# Altium PCB 2226_RegThermique.PcbDoc (part 2 of 2)
Units mm, origin at the board's own origin, x right, y up, seen from the top; angles counter-clockwise.
Board outline 171 x 110 mm, 2 copper layers (Top Layer, Bottom Layer), stack 1.586 mm thick; 162 components, 82 nets, 412 pads, 349 vias.
Unrouted connection lines stored in the file: 65.
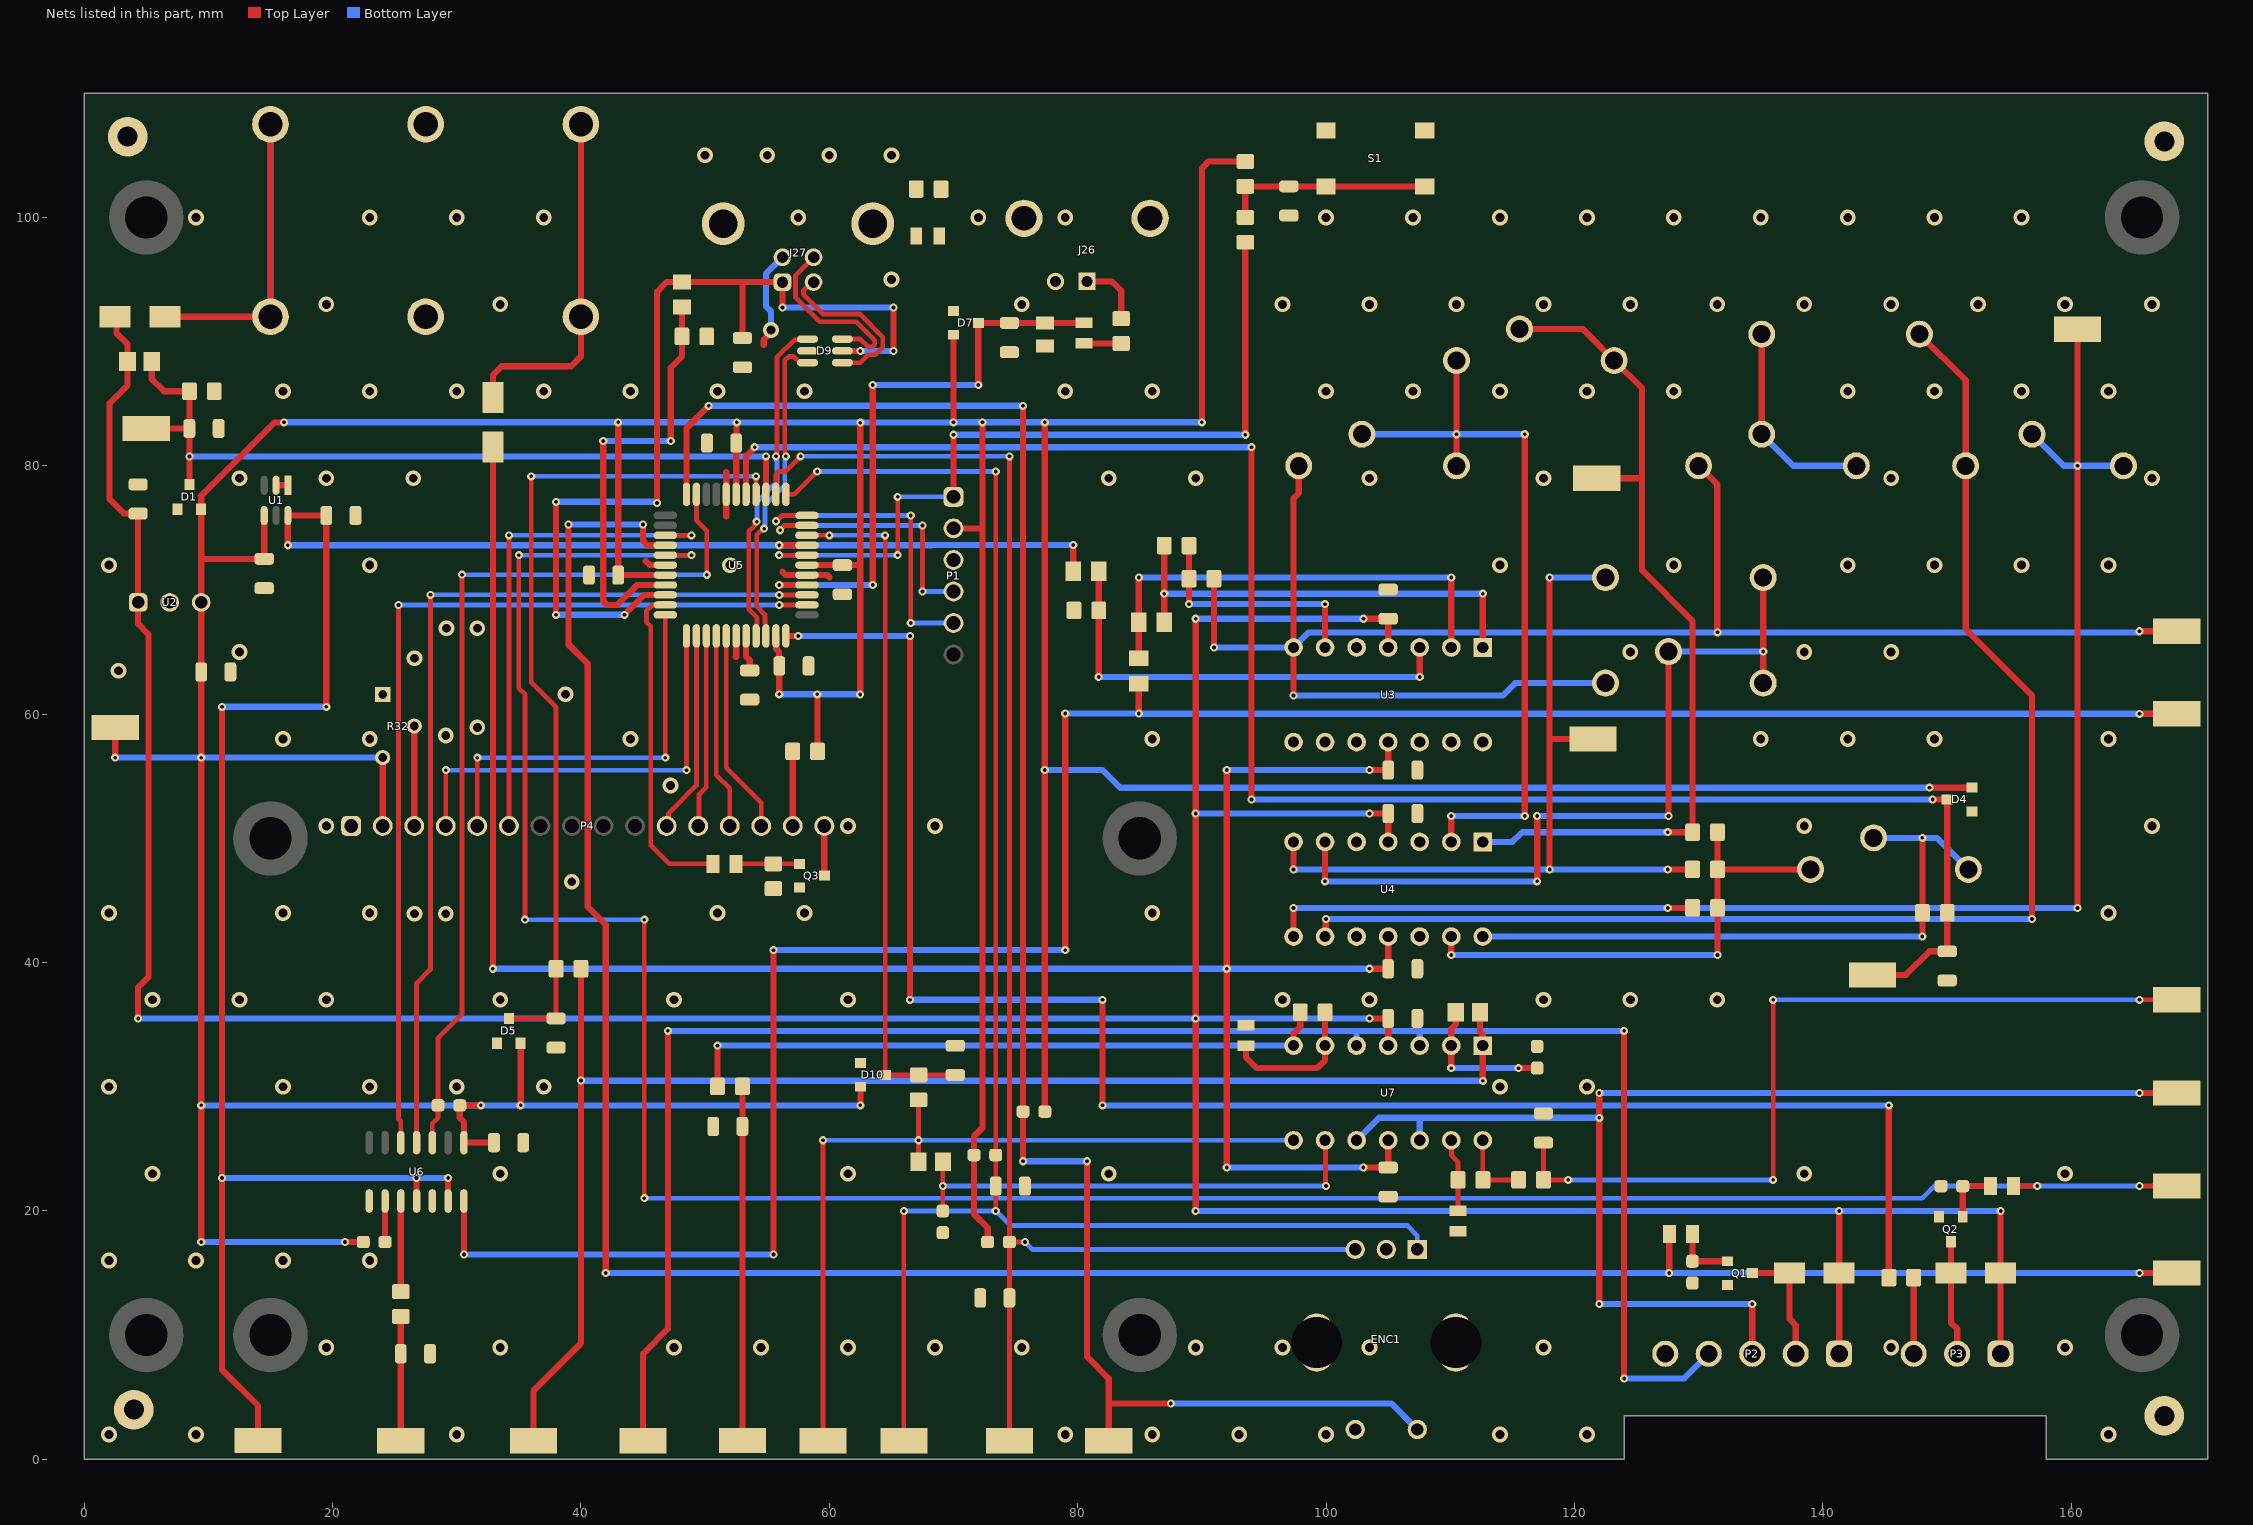
[diagram p2: the nets of this part, all layers, seen from the top]

## Part data (continued)
U5: library part CMP-0048-00496-1, "32-bit Microcontroller with Audio and Graphics Interface, USB and Advanced Analog, 40 MHz, 33 I/O, PMP, -40 to 85 degC, 44-pin TQFP (PT44), Tray", Manufacturer=Microchip, ComponentLink1Description="Manufacturer URL", ComponentLink1URL=http://www.microchip.com, ComponentLink2Description=Datasheet, ComponentLink2URL=http://ww1.microchip.com/downloads/en/DeviceDoc/61168E.pdf, ComponentLink3Description="Package Specification", ComponentLink3URL=http://www.microchip.com/stellent/groups/techpub_sg/documents/packagingspec/en012702.pdf, ComponentLink4Description="Product URL", ComponentLink4URL=http://www.microchip.com/PIC32MX230F064D, DatasheetVersion="Rev. E", Mounting Technology="Surface Mount", PackageDescription="44-Lead Plastic Thin Quad Flatpack, 10 x 10 mm Body, 0.8 mm Pitch", PackageReference=TQFP-PT44, PackageVersion=C04-076B, PartNumber=PIC32MX230F064D-I/PT
U6: library part CMP-0188-00496-2, "12-Bit DAC with SPI Interface, 14-Pin SOIC 150mil, Extended Temperature", Code_IPC=SOIC127P600-14, Code_JEDEC=MS-012-AB, ComponentLink1Description="Manufacturer URL", ComponentLink1URL=http://www.microchip.com/, ComponentLink2Description=Datasheet, ComponentLink2URL=http://ww1.microchip.com/downloads/en/DeviceDoc/22250A.pdf, ComponentLink3Description="Package Specification", ComponentLink3URL=http://www.microchip.com/stellent/groups/techpub_sg/documents/packagingspec/en012702.pdf, DatasheetVersion="revA, Apr-2010", PackageDescription="14-Lead Plastic Small Outline (SL) - Narrow, 3.90mm Body [SOIC]", PackageReference=SOIC-SL14, PackageVersion="revBB, Aug-2009", RevisionNote="URLs added. DatasheetVersion updated. Sch updated."
U8 U9 U10 U11 U12 U13 U14 U15: library part CMP-063-000000-1, "Plated Hole  3.4mm", Category=Others, IsStocked=False, PN=PN-814249, SubCategory=Mecaniques
X1 X2 X3 X4: library part CMP-054-000005-1, "TEST THT MULTIPURPOSE BK", Manufacturer=Keystone, Supplier Part Number 1=MAG.428.014, Category=Connectors, IsStocked=True, Manufacturer Number=5011, PN=PN-926990, SubCategory=Testpoints, Supplier 1=ETML, Supplier Price 1=0.2439

## Via types
v1: diameter 0.65, hole 0.3, Top Layer to Bottom Layer, tented both sides, 191 vias
v2: diameter 1.27, hole 0.711, Top Layer to Bottom Layer, tented both sides, 158 vias

## Nets (pads, with @x,y where several pads share a name; then routed paths per layer and width w, separated by ;. In a path a pad name is that pad's centre, name@x,y a point inside that pad or via, vN(x,y) a via of type N, cw(c..) or ccw(c..) an arc to the next point about the centre after c; other vN are vias at no path point)
+3,3V: C1.2 C5.2 C13.2 C14.2 C15.2 C23.2 C29.2 D1.2 D4.2 D5.2 D7.2 D10.2 P1.2 P4.2 R13.2 R30.2 R32.3 R36.2 R37.2 R38.2 R39.2 R40.2 TP3.1 U1.4 U2.3 U5.10 U5.17 U5.28 U5.40 U6.1 | length 556.2
  Top Layer w0.5: v1(2.5,56.5) TP3.1@2.5,58.936 ; v1(9.425,17.5) v1(9.425,28.5) v1(9.425,56.5) C5.2@9.425,63.398 U2.3@9.425,69 9.425,72.5 ; U1.4@14.5,76 C1.2@14.5,72.5 9.425,72.5 ; v1(16.1,83.502) 16.071,83.474 15.299,83.474 9.425,77.6 D1.2@9.425,76.5 9.425,72.5 ; v1(21,17.5) R39.2@22.476,17.5 ; P4.2@24.04,51 R32.3@24.04,56.5 ; v1(31.938,28.5) R40.2@30.246,28.5 30.246,27.5 30.576,27.17 U6.1@30.576,25.5 C23.2@33,25.5 ; v1(35.15,28.5) D5.2@35.15,33.5 ; v1(43,83.5) C14.2@43,71.2 U5.40@46.8,71.2 ; U5.28@52.5,77.7 C15.2@52.5,81.831 52.524,81.855 52.524,83.476 v1(52.548,83.5) ; U5.10@55.7,66.3 55.719,66.281 55.719,65.247 55.957,65.01 55.957,63.91 C29.2@55.976,63.891 55.973,63.888 55.973,61.601 v1(55.971,61.598) ; U5.17@58.2,72 C13.2@61.05,72 62.488,72 ; v1(59.026,61.598) 59.038,61.586 59.038,57.012 R30.2@59.05,57 ; v1(62.488,61.586) 62.488,72 ; v1@62.488,83.464 62.488,72 ; v1(62.5,28.5) D10.2@62.5,30 ; P1.2@70,74.96 72.334,74.96 ; v1(70,83.5) D7.2@70,90.551 ; v1(72.334,83.5) 72.334,74.96 ; R37.2@72.75,17.5 72.75,18.65 71.65,19.75 71.65,26 72.334,26.684 72.334,74.96 ; R38.2@77.35,28 v1(77.35,55.5) v1(77.35,83.5) ; v1(90,83.5) 90,103.967 90.533,104.5 R13.2@93.5,104.5 ; v1(148.594,54.08) D4.2@152.015,54.08
  Bottom Layer w0.5: v1(2.5,56.5) v1(9.425,56.5) R32.3@24.04,56.5 ; v1(9.425,17.5) v1(21,17.5) ; v1(9.425,28.5) v1(31.938,28.5) v1(35.15,28.5) v1(62.5,28.5) ; v1(16.1,83.502) v1(16.1,83.502) 42.999,83.501 v1(43,83.5) v1(52.548,83.5) 52.56,83.488 62.488,83.488 v1(62.5,83.476) 62.512,83.488 69.988,83.488 v1(70,83.5) v1(72.334,83.5) v1(77.35,83.5) v1(90,83.5) ; v1(55.971,61.598) v1(59.026,61.598) 62.476,61.598 v1(62.488,61.586) ; v1(77.35,55.5) 82,55.5 83.42,54.08 92.975,54.08 142.58,54.08 v1(148.594,54.08)
+12V: C4.2 C6.2 C8.2 C27.2 D2.1 D6.1 D8.1 P2.1 P3.1 R1.2 U2.1 U3.4 U4.4 U7.4 | length 333.8
  Top Layer w0.5: D2.1@2.5,92 2.6,91.9 2.6,90.693 3.5,89.793 R1.2@3.5,88.4 3.5,86.5 2.042,85.042 2.042,77.306 3.186,76.162 4.333,76.162 C4.2@4.345,76.15 U2.1@4.345,69 4.345,67.28 5.175,66.45 5.175,38.83 4.345,38 v1(4.345,35.5) ; v1(89.5,20) v1(89.5,52) v1(89.5,67.686) ; v1(103.011,67.686) C6.2@105,67.686 U3.4@105,65.371 ; v1(103.5,35.5) C27.2@105,35.5 U7.4@105,33.31 ; v1(103.5,52) C8.2@105,52 U4.4@105,49.711 ; P2.1@141.315,8.5 D6.1@141.315,15 v1(141.315,20) ; P3.1@154.315,8.5 D8.1@154.315,15 v1(154.315,20)
  Bottom Layer w0.5: v1(4.345,35.5) v1(89.5,35.5) v1(103.5,35.5) ; v1(89.5,20) v1(141.315,20) v1(154.315,20) ; v1(89.5,52) v1(103.5,52) ; v1(89.5,67.686) v1(103.011,67.686)
-12V: C7.2 C9.2 C28.2 D3.2 U3.11 U4.11 U7.11 | length 179.3
  Top Layer w0.5: v1(32.905,39.5) 32.91,39.505 D3.2@32.91,81.505 D3.2@33,81.594 ; v1(92,23.5) v1(92,55.5) ; v1(103,23.5) C28.2@105,23.5 U7.11@105,25.69 ; v1(103.5,55.5) C7.2@105,55.5 U3.11@105,57.751 ; v1(103.5,39.5) C9.2@105,39.5 ; C9.2@105,39.5 U4.11@105,42.102
  Bottom Layer w0.5: v1(32.905,39.5) v1(92,39.5) v1(103.5,39.5) ; v1(92,23.5) v1(103,23.5) ; v1(92,55.5) v1(103.5,55.5)
Consigne_EXT: C18.2 D7.3 R24.1 R25.2 U5.15 | length 47.9
  Top Layer w0.5: v1(55.97,70.4) U5.15@58.2,70.4 ; v1(63.5,70.4) v1(63.5,86.5) ; v1(72,86.5) D7.3@72,91.501 C18.2@74.5,91.501 77.999,91.501 78,91.5 R24.1@80.5,91.5
  Bottom Layer w0.5: v1(55.97,70.4) v1(63.5,70.4) ; v1(63.5,86.5) v1(72,86.5)
DAC_CS: R40.1 U5.32 U6.3 | length 73.3
  Top Layer w0.381: U6.3@28.036,25.5 28.036,27.04 28.496,27.5 R40.1@28.496,28.5 28.496,33.935 30.415,35.854 v1(30.415,71.229) ; U5.32@49.3,77.7 49.3,75.621 50.135,74.786 v1(50.135,71.227)
  Bottom Layer w0.381: v1@30.417,71.227 v1(50.135,71.227)
DAC_SCK: U5.14 U6.4 | length 74.9
  Top Layer w0.381: U6.4@26.766,25.5 26.766,38.33 27.884,39.448 v1(27.884,69.606) ; v1@55.972,69.6 U5.14@58.199,69.6
  Bottom Layer w0.381: v1(27.884,69.606) 55.965,69.606 v1(55.971,69.599)
DAC_SDI: U5.13 U6.5 | length 76.3
  Top Layer w0.381: v1(25.313,68.799) 25.313,27.407 25.496,27.224 U6.5@25.496,25.5 ; v1(55.97,68.798) U5.13@58.2,68.799
  Bottom Layer w0.381: v1(25.313,68.799) v1(55.97,68.798)
ERREUR: R4.1 TP5.1 U6.14 | length 188.2
  Top Layer w0.5: v1(30.576,16.5) U6.14@30.576,20.8 ; v1(55.5,16.5) v1(55.5,41) ; v1(79,41) v1(79,60.06) ; v1(84.92,60.06) R4.1@84.92,62.45 ; v1(165.5,60.03) TP5.1@168.5,60.03
  Bottom Layer w0.5: v1(30.576,16.5) v1(55.5,16.5) ; v1(55.5,41) v1(79,41) ; v1(79,60.06) v1(84.92,60.06) 84.95,60.03 v1(165.5,60.03)
GND: C1.1 C2.1 C3.1 C4.1 C5.1 C6.1 C7.1 C8.1 C9.1 C10.1 C11.1 C12.1 C13.1 C14.1 C15.1 C16.1 C17.1 C18.1 C19.1 C20.2 C21.1 C22.1 C23.1 C24.1 C25.1 C26.1 C27.1 C28.1 C29.1 D1.1 D4.1 D5.1 D7.1 D9.5 D10.1 ENC1.2 ENC1.3 ENC1.4 ENC1.C J2.1 J26.2 J26.S1 J26.S2 J27.4 P1.3 P2.5 P4.1 Q1.2 Q2.2 Q3.2 R2.1 R10.1 R18.1 R19.2 R21.1 R25.1 R28.1 R31.1 R32.1 R34.2 R35.2 R44.2 R47.1 S1.1 S1.3 U1.1 U1.2 U2.2 U3.5 U3.8 U3.9 U3.10 U3.12 U3.13 U3.14 U4.3 U4.5 U4.10 U4.12 U5.6 U5.16 U5.29 U5.39 U6.8 U6.12 X1.1 X2.1 X3.1 X4.1 | length 20
  Top Layer w0.5: U1.2@15.45,78.431 U1.1@16.4,78.431 ; 45.22,72.324 45.525,72.019 46.781,72.019 U5.39@46.8,72 ; 51.7,75.905 U5.29@51.7,77.7 51.7,79.495 ; 52.473,64.597 52.5,64.625 U5.6@52.5,66.3 ; 54.724,89.726 54.724,90.136 55.303,90.716 v2(55.303,90.924) ; 56.226,71.47 56.496,71.2 U5.16@58.2,71.2 59.831,71.2 60.026,71.005
  Bottom Layer w0.5: v2(55.303,90.924) 55.303,92.428 54.894,92.836 54.894,95.454 J27.4@56.23,96.79
  other v2: 2,2 9,2 30,2 79,2 86,2 93,2 100,2 114,2 121,2 163,2 19.5,9 33.5,9 47.5,9 54.5,9 61.5,9 68.5,9 75.5,9 89.5,9 96.5,9 103.5,9 117.5,9 145.5,9 159.5,9 2,16 9,16 16,16 23,16 5.5,23 33.5,23 61.5,23 82.5,23 138.5,23 159.5,23 2,30 16,30 23,30 30,30 37,30 114,30 121,30 5.5,37 12.5,37 19.5,37 33.5,37 47.5,37 61.5,37 96.5,37 103.5,37 117.5,37 124.5,37 131.5,37 26.59,43.926 29.12,43.926 2,44 16,44 23,44 51,44 58,44 86,44 163,44 39.266,46.5 19.5,51 61.5,51 68.5,51 138.5,51 166.5,51 47.204,54.26 16,58 23,58 44,58 86,58 135,58 142,58 149,58 163,58 29.12,58.278 31.66,58.94 38.757,61.598 2.757,63.498 26.59,64.5 12.5,65 124.5,65 138.5,65 145.5,65 29.175,66.916 31.66,66.916 2,72 23,72 52,72 114,72 128,72 142,72 149,72 156,72 163,72 12.5,79 19.5,79 26.5,79 82.5,79 89.5,79 103.5,79 117.5,79 145.5,79 166.5,79 16,86 23,86 30,86 37,86 44,86 51,86 58,86 79,86 86,86 100,86 107,86 114,86 121,86 128,86 142,86 149,86 156,86 163,86 19.5,93 33.5,93 75.5,93 96.5,93 103.5,93 110.5,93 117.5,93 124.5,93 131.5,93 138.5,93 145.5,93 152.5,93 159.5,93 166.5,93 9,100 23,100 30,100 37,100 72,100 79,100 100,100 107,100 114,100 121,100 128,100 135,100 142,100 149,100 156,100
LCD_BL: R33.2 U5.43 | length 26.4
  Top Layer w0.381: U5.43@46.8,68.8 46.758,68.758 45.723,68.758 45.279,68.314 45.279,67.402 45.621,67.06 45.621,49.434 47.105,47.95 R33.2@50.65,47.95
LCD_DB4: P4.11 U5.2 | length 16.3
  Top Layer w0.381: P4.11@46.9,51 47.059,51.159 47.059,52.019 49.3,54.26 U5.2@49.3,66.3
LCD_DB5: P4.12 U5.3 | length 15.6
  Top Layer w0.381: P4.12@49.44,51 49.5,51.06 49.5,53.5 50.1,54.1 U5.3@50.1,66.3
LCD_DB6: P4.13 U5.4 | length 15.7
  Top Layer w0.381: U5.4@50.9,66.3 50.9,55.1 51.98,54.02 P4.13@51.98,51
LCD_DB7: P4.14 U5.5 | length 16.5
  Top Layer w0.381: U5.5@51.7,66.3 51.7,55.69 54.52,52.87 P4.14@54.52,51
LCD_E: P4.6 U5.36 | length 40.2
  Top Layer w0.381: P4.6@34.2,51 v1(34.2,74.4) ; U5.36@46.8,74.4 v1(48.9,74.4)
  Bottom Layer w0.381: v1(34.2,74.4) v1(48.9,74.4)
LCD_RS: P4.4 U5.1 | length 34.7
  Top Layer w0.381: P4.4@29.12,51 v1(29.12,55.49) ; v1(48.5,55.49) U5.1@48.5,66.3
  Bottom Layer w0.381: v1(29.12,55.49) v1(48.5,55.49)
LCD_RW: P4.5 U5.44 | length 32.1
  Top Layer w0.381: P4.5@31.66,51 v1(31.66,56.5) ; v1(46.8,56.5) U5.44@46.8,68
  Bottom Layer w0.381: v1(31.66,56.5) v1(46.8,56.5)
MCLR: P1.1 R14.2 U5.18 | length 65
  Top Layer w0.381: v1(55.96,72.801) U5.18@58.2,72.8 ; v1(65.5,72.801) v1(65.5,77.5)
  Top Layer w0.5: P1.1@70,77.5 v1(70,82.5) ; v1(93.5,82.501) R14.2@93.5,98
  Bottom Layer w0.381: v1(55.96,72.801) v1(65.5,72.801) ; v1(65.5,77.5) P1.1@70,77.5
  Bottom Layer w0.5: v1(70,82.5) v1(93.5,82.501)
MESURE_ROTA: R26.2 U5.11 | length 140.5
  Top Layer w0.5: U5.11@56.5,66.3 v1(57.5,66.3) ; v1(66.5,37) v1(66.5,66.3) ; v1(82,28.5) v1(82,37) ; R26.2@145.315,14.625 v1(145.315,28.5)
  Bottom Layer w0.5: v1(57.5,66.3) v1(66.5,66.3) ; v1(66.5,37) v1(82,37) ; v1(82,28.5) v1(145.315,28.5)
NetC11_2: C11.2 R13.1 R14.1 S1.2 S1.4 | length 16.9
  Top Layer w0.5: R14.1@93.5,100 R13.1@93.5,102.5 C11.2@97,102.5 S1.2@100,102.5 S1.4@107.95,102.5
NetC12_2: C12.2 U5.7 | length 2.9
  Top Layer w0.5: U5.7@53.3,66.3 53.3,64.635 53.586,64.349 C12.2@53.586,63.522
NetC17_2: C17.2 R22.2 TP13.1 | length 28.5
  Top Layer w0.5: TP13.1@53,1.504 C17.2@53,26.8 R22.2@53,30.028
NetC24_2: C24.2 R41.1 TP18.1 | length 10
  Top Layer w0.5: TP18.1@25.496,1.5 C24.2@25.496,8.5 R41.1@25.496,11.5
NetC26_2: C26.2 R46.2 TP21.1 | length 68.5
  Top Layer w0.381: C26.2@117.5,25.5 R46.2@117.5,22.5 v1(119.5,22.5) ; v1(136,22.5) v1(136,37) ; v1(165.5,37) TP21.1@168.5,37
  Bottom Layer w0.381: v1(119.5,22.5) v1(136,22.5) ; v1(136,37) v1(165.5,37)
NetD2_2: D2.2 J1.1 | length 39.5
  Top Layer w0.5: D2.2@6.5,92 J1.1@15,92 J1.1@15,107.5
  Bottom Layer w0.5: J1.1@15,92 J1.1@15,107.5
NetD3_1: D3.1 J3.1 | length 43.7
  Top Layer w0.5: D3.1@32.91,85.505 32.91,87.302 33.624,88.016 39.216,88.016 40,88.8 J3.1@40,92 J3.1@40,107.5
  Bottom Layer w0.5: J3.1@40,92 J3.1@40,107.5
NetD6_2: D6.2 P2.2 Q1.3 | length 9.7
  Top Layer w0.5: Q1.3@134.315,15 D6.2@137.315,15 137.315,11.3 137.815,10.8 P2.2@137.815,8.5
NetD8_2: D8.2 P3.2 Q2.3 | length 9.2
  Top Layer w0.5: Q2.3@150.315,17.525 D8.2@150.315,15 150.315,11 150.815,10.5 P3.2@150.815,8.5
NetJ4_1: J4.1 J7.1 J9.1 U4.2 | length 60.3
  Top Layer w0.5: U4.2@110.08,49.711 v1(110.08,51.793) ; J9.1@110.5,80 v1(110.5,82.54) J4.1@110.5,88.475 ; v1(116,51.793) v1(116,82.54)
  Bottom Layer w0.5: J7.1@102.88,82.54 v1(110.5,82.54) v1(116,82.54) ; v1(110.08,51.793) v1(116,51.793)
NetJ5_1: J5.1 J6.1 R6.1 TP4.1 U4.1 | length 70.1
  Top Layer w0.5: J6.1@115.58,91.015 120.66,91.015 J5.1@123.2,88.475 125.441,86.234 125.441,79 ; TP4.1@121.8,79 125.441,79 ; v1(127.515,50.5) R6.1@129.515,50.5 129.515,67.5 125.441,71.574 125.441,79
  Bottom Layer w0.5: U4.1@112.62,49.711 115,49.711 115.789,50.5 v1(127.515,50.5)
NetJ8_1: J8.1 J16.1 J21.1 R3.2 TP6.1 U3.7 | length 141.8
  Top Layer w0.5: v1(90.97,65.371) R3.2@90.97,70.9 ; v1(97.38,61.5) U3.7@97.38,65.371 97.38,77.38 97.8,77.8 J8.1@97.8,80 ; J21.1@130,80 131.5,78.5 131.5,66.602 v1(131.515,66.587) ; v1(165.5,66.675) TP6.1@168.5,66.675
  Bottom Layer w0.5: v1(90.97,65.371) U3.7@97.38,65.371 98.596,66.587 165.372,66.587 165.459,66.675 v1(165.5,66.675) ; v1(97.38,61.5) 114.218,61.5 115.218,62.5 J16.1@122.5,62.5
NetJ10_1: J10.1 J14.1 J17.1 U4.6 | length 65.5
  Top Layer w0.5: v1(99.92,46.536) U4.6@99.92,49.711 ; v1(117,46.536) v1(117,51.793) ; v1(127.58,51.793) J14.1@127.58,65.04 ; J17.1@135.2,62.5 J10.1@135.2,71.065
  Bottom Layer w0.5: v1(99.92,46.536) v1(117,46.536) ; v1(117,51.793) v1(127.58,51.793) ; J14.1@127.58,65.04 v1(135.2,65.04)
NetJ11_1: J11.1 R9.1 TP7.1 U4.7 | length 65.8
  Top Layer w0.5: v1(97.38,47.5) U4.7@97.38,49.711 ; v1(118,47.5) 118,58.012 ; v1(118,71) 118,58.012 ; TP7.1@121.5,58.011 118.001,58.011 118,58.012 ; v1(127.515,47.5) R9.1@129.515,47.5
  Bottom Layer w0.5: v1(97.38,47.5) v1(118,47.5) v1(127.515,47.5) ; v1(118,71) J11.1@122.5,71
NetJ12_1: J12.1 R6.2 R9.2 R11.2 U4.13 | length 40.3
  Top Layer w0.5: v1(110.08,40.6) U4.13@110.08,42.091 ; v1(131.515,40.6) R11.2@131.515,44.401 R9.2@131.515,47.5 ; R6.2@131.515,50.5 R9.2@131.515,47.5 ; J12.1@139.015,47.5 R9.2@131.515,47.5
  Bottom Layer w0.5: v1(110.08,40.6) v1(131.515,40.6)
NetJ13_1: J13.1 J15.1 R12.1 U4.14 | length 52
  Top Layer w0.5: v1(148.015,42.091) R12.1@148.015,44 v1(148.015,50.04)
  Bottom Layer w0.5: U4.14@112.62,42.091 v1(148.015,42.091) ; J15.1@144.095,50.04 v1(148.015,50.04) 149.175,50.04 J13.1@151.715,47.5
NetJ18_1: J18.1 J24.1 U4.9 | length 109.1
  Top Layer w0.5: U4.9@99.92,42.091 99.971,42.143 99.971,43.471 v1(100,43.5) ; J24.1@147.78,90.6 151.5,86.88 J18.1@151.5,80 151.5,66.85 156.85,61.5 v1(156.85,43.5)
  Bottom Layer w0.5: v1(100,43.5) v1(156.85,43.5)
NetJ19_1: J19.1 J20.1 R11.1 TP9.1 U4.8 | length 122.4
  Top Layer w0.5: U4.8@97.38,42.091 v1(97.38,44.401) ; v1(127.515,44.401) R11.1@129.515,44.401 ; v1(160.5,44.401) v1(160.5,80) TP9.1@160.5,91
  Bottom Layer w0.5: v1(97.38,44.401) 119.5,44.401 v1(160.5,44.401) ; J20.1@156.85,82.54 159.39,80 v1(160.5,80) J19.1@164.2,80
NetJ22_1: J22.1 J23.1 J25.1 | length 16.7
  Top Layer w0.5: J25.1@135.08,82.54 J23.1@135.08,90.6
  Bottom Layer w0.5: J25.1@135.08,82.54 137.62,80 J22.1@142.7,80
NetJ26_1: J26.1 R23.1 | length 5.3
  Top Layer w0.5: J26.1@80.754,94.847 82.76,94.847 83.5,94.107 R23.1@83.5,91.85
NetP2_3: P2.3 TP20.1 U7.10 U7.12 | length 101.9
  Top Layer w0.5: v1(122,12.5) v1(122,27.5) v1(122,29.5) ; P2.3@134.315,8.5 v1(134.315,12.5) ; v1(165.5,29.5) TP20.1@168.5,29.5
  Bottom Layer w0.5: U7.10@102.46,25.69 104.27,27.5 107.54,27.5 ; U7.12@107.54,25.69 107.54,27.5 ; v1(122,12.5) v1(134.315,12.5) ; v1(122,27.5) 107.54,27.5 ; v1(122,29.5) v1(165.5,29.5)
NetP3_3: P3.3 R26.1 | length 6.1
  Top Layer w0.5: P3.3@147.315,8.5 R26.1@147.315,14.625
NetP4_3: P4.3 R32.2 | length 8
  Top Layer w0.5: P4.3@26.58,51 R32.2@26.58,59.04
NetP4_15: P4.15 R30.1 | length 6
  Top Layer w0.5: P4.15@57.06,51 R30.1@57.06,57
NetP4_16: P4.16 Q3.3 | length 4
  Top Layer w0.5: Q3.3@59.6,47 P4.16@59.6,51
NetQ1_1: Q1.1 R17.2 R18.2 | length 5
  Top Layer w0.5: R17.2@129.5,18.15 R18.2@129.5,15.95 Q1.1@132.315,15.95
NetQ2_1: Q2.1 R27.2 R28.2 | length 4.7
  Top Layer w0.5: Q2.1@151.265,19.525 R28.2@151.265,22 R27.2@153.5,22
NetQ3_1: Q3.1 R33.1 R34.1 | length 5.1
  Top Layer w0.381: R33.1@52.5,47.95 R34.1@55.5,47.95 Q3.1@57.6,47.95
NetR3_1: R3.1 R7.2 U3.6 | length 19.2
  Top Layer w0.5: v1(88.97,68.861) R3.1@88.97,70.9 R7.2@88.97,73.575 ; U3.6@99.92,65.371 v1(99.92,68.861)
  Bottom Layer w0.5: v1(88.97,68.861) v1(99.92,68.861)
NetR4_2: R4.2 R5.1 U3.2 | length 37.3
  Top Layer w0.5: R4.2@84.92,64.5 R5.1@84.92,67.4 v1(84.92,71.011) ; U3.2@110.08,65.371 v1(110.08,71.011)
  Bottom Layer w0.5: v1(84.92,71.011) v1(110.08,71.011)
NetR5_2: R5.2 R7.1 U3.1 | length 36.2
  Top Layer w0.5: R5.2@86.97,67.4 v1(86.97,69.7) R7.1@86.97,73.575 ; U3.1@112.62,65.371 v1(112.62,69.7)
  Bottom Layer w0.5: v1(86.97,69.7) v1(112.62,69.7)
NetR8_2: R8.2 R10.2 U3.3 | length 36.7
  Top Layer w0.5: v1(81.692,63) R10.2@81.692,68.361 R8.2@81.692,71.5 ; v1(107.54,63) U3.3@107.54,65.371
  Bottom Layer w0.5: v1(81.692,63) v1(107.54,63)
NetR15_1: R15.1 R19.1 U7.2 | length 11.6
  Top Layer w0.5: v1(110.08,31.5) U7.2@110.08,33.31 110.08,34.678 110.445,35.043 R15.1@110.445,36 ; v1(115.5,31.5) R19.1@117,31.5
  Bottom Layer w0.5: v1(110.08,31.5) v1(115.5,31.5)
NetR15_2: R15.2 R16.1 TP10.1 U7.1 | length 117.8
  Top Layer w0.5: TP10.1@36.175,1.499 36.175,5.5 40,9.325 R16.1@40,39.5 ; R15.2@112.395,36 112.395,34.425 112.62,34.2 U7.1@112.62,33.31 v1(112.62,30.475)
  Bottom Layer w0.5: v1(40,30.5) 40.025,30.475 v1(112.62,30.475)
NetR20_1: R20.1 R21.2 U7.6 | length 11.8
  Top Layer w0.5: R21.2@93.55,33.31 93.55,33.135 93.55,32.375 94.425,31.5 99.27,31.5 99.92,32.15 U7.6@99.92,33.31 R20.1@99.92,36
NetR20_2: R20.2 R22.1 U7.7 | length 52.6
  Top Layer w0.5: R22.1@51,30.028 v1(51,33.31) ; U7.7@97.38,33.31 97.38,34.275 97.92,34.815 R20.2@97.92,36
  Bottom Layer w0.5: v1(51,33.31) U7.7@97.38,33.31
NetR23_2: R23.2 R24.2 | length 3
  Top Layer w0.5: R24.2@80.5,89.85 R23.2@83.5,89.85
NetR39_1: R39.1 U6.9 | length 3.3
  Top Layer w0.5: R39.1@24.226,17.5 U6.9@24.226,20.8
NetR41_2: R41.2 U6.10 | length 7.3
  Top Layer w0.5: R41.2@25.496,13.5 U6.10@25.496,20.8
NetR42_1: R42.1 R44.1 U7.9 | length 38.6
  Top Layer w0.381: R44.1@69.14,19.96 R44.1@69.14,20 v1(69.14,22) R42.1@69.14,23.95 ; U7.9@99.92,25.69 99.96,25.65 99.96,22.04 v1(100,22)
  Bottom Layer w0.381: v1(69.14,22) v1(100,22)
NetR42_2: R42.2 R43.1 TP19.1 U7.8 | length 67.1
  Top Layer w0.381: TP19.1@59.5,1.5 v1(59.5,25.69) ; R42.2@67.19,23.95 v1(67.19,25.69) R43.1@67.19,28.95
  Bottom Layer w0.381: v1(59.5,25.69) v1(67.19,25.69) U7.8@97.38,25.69
NetR45_1: R45.1 R47.2 U7.13 | length 5.9
  Top Layer w0.381: U7.13@110.103,25.667 110.103,24.462 110.62,23.945 R45.1@110.62,22.5 R47.2@110.62,20
NetR45_2: R45.2 R46.1 U7.14 | length 6.1
  Top Layer w0.381: U7.14@112.62,25.69 R45.2@112.62,22.5 R46.1@115.5,22.5
Pec12_A: C21.2 ENC1.A R36.1 TP17.1 U5.23 | length 139
  Top Layer w0.381: U5.23@56.5,77.7 57.181,77.7 58.5,79.02 v1(59.026,79.546) ; TP17.1@66,1.501 v1(66,20) ; v1(73.4,20) C21.2@73.4,22 R36.1@73.4,24.5 v1(73.4,79.546)
  Bottom Layer w0.381: v1(59.026,79.546) v1(73.4,79.546) ; v1(66,20) v1(73.4,20) 74.566,18.833 106.518,18.833 107.35,18.002 ENC1.A@107.35,16.9
Pec12_B: C22.2 ENC1.B R37.1 TP15.1 U5.24 | length 128.4
  Top Layer w0.381: U5.24@55.7,77.7 55.7,79.323 55.923,79.546 56.476,79.546 v1(57.692,80.762) ; TP15.1@74.5,1.5 C22.2@74.5,13 R37.1@74.5,17.5 ; v1(74.5,80.762) R37.1@74.5,17.5 ; v1(75.75,17.5) R37.1@74.5,17.5
  Bottom Layer w0.381: v1(57.692,80.762) 73.378,80.762 ; 73.379,80.762 v1(74.5,80.762) ; v1(75.75,17.5) 76.35,16.9 ENC1.B@102.35,16.9
Pec12_PB: ENC1.1 R38.1 TP16.1 U5.33 | length 148.1
  Top Layer w0.5: U5.33@48.5,77.7 48.5,83.041 v1(50.285,84.826) ; v1(75.6,24) R38.1@75.6,28 v1(75.6,84.826) ; v1(80.754,24) 80.754,8.251 82.5,6.505 82.5,4.5 ; TP16.1@82.5,1.499 82.5,4.5 ; v1(87.5,4.5) 82.5,4.5
  Bottom Layer w0.5: v1(50.285,84.826) v1(75.6,84.826) ; v1(75.6,24) v1(80.754,24) ; v1(87.5,4.5) 105.25,4.5 ENC1.1@107.35,2.4
PGEC: P1.5 U5.22 | length 25.8
  Top Layer w0.381: v1(55.7,75.536) 55.741,75.536 56.206,76.001 U5.22@58.2,76.001 ; v1(66.558,67.34) v1(66.558,76)
  Bottom Layer w0.381: v1(55.7,75.536) 55.741,75.536 56.205,76 v1(66.558,76) ; v1(66.558,67.34) P1.5@70,67.34
PGED: P1.4 U5.21 | length 21.8
  Top Layer w0.381: v1(56.041,74.811) 56.43,75.2 U5.21@58.2,75.2 ; v1(67.5,69.88) v1(67.5,75.2)
  Bottom Layer w0.381: v1(56.041,74.811) 56.43,75.2 v1(67.5,75.2) ; v1(67.5,69.88) P1.4@70,69.88
PID_OUT: C10.2 D4.3 R12.2 TP8.1 U5.27 | length 147.5
  Top Layer w0.5: U5.27@53.3,77.7 53.3,80.77 53.989,81.459 v1(53.989,81.5) ; v1(94,53.13) v1(94,81.5) ; TP8.1@144,39 146.694,39 148.599,40.905 C10.2@150.015,40.905 R12.2@150.015,44 D4.3@150.015,53.13 v1(148.84,53.13)
  Bottom Layer w0.5: v1(53.989,81.5) v1(94,81.5) ; v1(94,53.13) v1(148.84,53.13)
PWM_FAN: R27.1 TP14.1 U5.38 | length 203.3
  Top Layer w0.381: v1(35,72.8) 35,62.098 35.5,61.598 v1(35.5,43.45) ; v1(45.103,21.025) v1(45.103,43.45) ; U5.38@46.8,72.8 v1(48.9,72.8) ; R27.1@155.35,22 v1(157.262,22) ; v1(165.5,22) TP14.1@168.5,22
  Bottom Layer w0.381: v1(35,72.8) v1(48.9,72.8) ; v1(35.5,43.45) v1(45.103,43.45) ; v1(45.103,21.025) 148.015,21.025 148.99,22 v1(157.262,22) v1(165.5,22)
PWM_RP: R17.1 TP11.1 U5.37 | length 200.4
  Top Layer w0.254: R17.1@127.625,18.125 R17.1@127.65,18.15
  Top Layer w0.5: v1(39,75.273) 39,65.61 40.55,64.06 40.55,44.5 42,43.05 v1(42,15) ; v1(45,75.273) 45,73.95 45.35,73.6 U5.37@46.8,73.6 ; v1(127.625,15) R17.1@127.625,18.125 ; v1(165.5,15) TP11.1@168.5,15
  Bottom Layer w0.5: v1(39,75.273) v1(45,75.273) ; v1(42,15) v1(127.625,15) 128.625,15 v1(165.5,15)
Sensor_Temp_RP: P2.4 TP12.1 U7.3 U7.5 | length 148.9
  Top Layer w0.5: TP12.1@45,1.5 45,8.5 47,10.5 v1(47,34.5) ; v1(124,6.5) v1(124,34.5)
  Bottom Layer w0.5: v1(47,34.5) 102.46,34.5 ; U7.5@102.46,33.31 102.46,34.5 ; U7.3@107.54,33.31 107.54,34.5 ; v1(124,6.5) 128.815,6.5 P2.4@130.815,8.5 ; v1(124,34.5) 107.54,34.5 ; 102.46,34.5 107.54,34.5
Temp_Boîtier: C25.2 D10.3 R43.2 U5.20 | length 55.4
  Top Layer w0.381: U5.20@58.2,74.4 v1(60,74.4) ; v1(64.5,74.4) D10.3@64.5,30.95 R43.2@67.19,30.95 C25.2@70.14,30.95
  Bottom Layer w0.381: v1(60,74.4) v1(64.5,74.4)
Temp_RP: C16.2 D5.3 R16.2 U5.26 | length 67.8
  Top Layer w0.381: D5.3@34.2,35.5 C16.2@38,35.5 R16.2@38,39.5 38,60.555 36,62.555 v1(36,79.15) ; U5.26@54.1,77.7 v1(54.1,79.15)
  Bottom Layer w0.381: v1(36,79.15) v1(54.1,79.15)
USB-shield: C20.1 J27.Shell R35.1
  other v2: 65,95 57.5,100 50,105 55,105 60,105 65,105
USB_CON_N: D9.1 J27.2 | length 13.8
  Top Layer w0.381: J27.2@58.73,94.79 58.592,94.79 57.913,94.111 57.913,93.795 59.481,92.227 62.435,92.227 64.297,90.365 64.297,89.527 63.704,88.934 63.127,88.934 62.493,88.3 D9.1@61.05,88.3
USB_CON_P: D9.3 J27.3 | length 14.9
  Top Layer w0.381: J27.3@58.73,96.79 57.282,95.342 57.282,93.534 59.219,91.596 62.174,91.596 63.666,90.104 63.666,89.788 63.443,89.565 63.127,89.565 62.493,90.2 D9.3@61.05,90.2
USB_N: D9.6 U5.9 | length 25.7
  Top Layer w0.381: v1(54.751,74.934) 54.678,74.934 54.479,74.734 54.432,74.734 54.149,74.452 54.149,68.69 54.815,68.024 54.815,67.282 54.858,67.239 54.858,66.342 U5.9@54.9,66.3 ; v1(56.501,80.762) 56.45,80.814 56.45,81.095 56.416,81.129 56.416,88.48 56.733,88.796 57.144,88.796 57.641,88.3 D9.6@58.25,88.3
  Bottom Layer w0.381: v1(54.751,74.934) 54.802,74.985 54.802,75.211 54.816,75.224 54.816,76.527 54.815,76.835 56.416,78.436 56.416,80.396 56.45,80.429 56.45,80.711 v1(56.501,80.762)
USB_P: D9.4 U5.8 | length 26.8
  Top Layer w0.381: U5.8@54.1,66.3 54.142,66.342 54.142,67.239 54.184,67.282 54.184,67.763 53.518,68.429 53.518,74.714 53.985,75.181 53.985,75.228 54.014,75.257 54.014,75.293 54.149,75.427 v1(54.149,75.5) ; v1(55.7,80.762) 55.751,80.814 55.751,81.095 55.785,81.129 55.785,88.741 57.202,90.158 57.701,90.158 57.743,90.2 D9.4@58.25,90.2
  Bottom Layer w0.381: v1(54.149,75.5) 54.185,75.536 54.185,76.265 54.184,77.097 55.785,78.697 55.785,80.396 55.751,80.429 55.751,80.711 v1(55.7,80.762)
USBDetect: R29.2 R31.2 U5.41 | length 35.3
  Top Layer w0.5: v1(41.8,82) 41.8,69.093 42.093,68.8 42.925,68.8 44.525,70.4 U5.41@46.8,70.4 ; v1(47.235,82) 47.235,87.896 48.135,88.796 R31.2@48.135,90.416 R29.2@48.135,92.79
  Bottom Layer w0.5: v1(41.8,82) v1(47.235,82)
V_Alim: C3.2 D1.3 R1.1 R2.2 TP2.1 U5.25 | length 65.3
  Top Layer w0.5: TP2.1@5,83.003 C3.2@8.475,83.002 ; R1.1@5.45,88.4 5.45,86.985 6.435,86 R2.2@8.475,86 C3.2@8.475,83.002 ; D1.3@8.475,78.5 v1(8.475,80.751) C3.2@8.475,83.002 ; U5.25@54.9,77.7 v1(54.899,80.761)
  Bottom Layer w0.5: v1(8.475,80.751) 8.48,80.757 54.894,80.757 v1(54.899,80.761)
VBUS: C19.2 D9.2 J27.1 R29.1 U5.42 | length 77.3
  Top Layer w0.5: v1(38,68) v1(38,77.101) ; v1(43.5,68) 45.1,69.6 U5.42@46.8,69.6 ; v1(46.127,77) 46.127,94.032 46.885,94.79 R29.1@48.135,94.79 53,94.79 ; C19.2@53,90.291 53,94.79 ; v1(56.23,92.74) J27.1@56.23,94.79 53,94.79 ; D9.2@61.05,89.25 v1(62.5,89.25) ; v1(65.175,89.25) v1(65.175,92.74)
  Bottom Layer w0.5: v1(38,68) v1(43.5,68) ; v1(38,77.101) 45.986,77.101 46.087,77 v1(46.127,77) ; v1(56.23,92.74) v1(65.175,92.74) ; v1(62.5,89.25) v1(65.175,89.25)
Vref_3V: C2.2 R8.1 TP1.1 U1.6 U5.19 U6.11 U6.13 | length 179
  Top Layer w0.5: v1(11.1,60.59) v1(11.1,22.65) 11.1,7.2 14,4.299 TP1.1@14,1.524 ; v1(16.4,73.6) U1.6@16.4,76 C2.2@19.5,76 ; v1(19.5,60.59) C2.2@19.5,76.001 ; U6.11@26.766,20.8 v1(26.766,22.65) ; U6.13@29.306,20.8 v1(29.306,22.65) ; U5.19@58.199,73.6 v1(55.971,73.602) ; R8.1@79.642,71.5 v1@79.642,73.613 ; v1(55.971,73.602) v1(55.971,73.602)
  Bottom Layer w0.5: v1@11.101,22.649 19.041,22.649 v1@26.697,22.649 ; v1@11.1,60.59 v1@19.5,60.59 ; v1(16.4,73.6) v1@55.969,73.6 ; v1(26.766,22.65) v1(29.306,22.65) ; v1@55.973,73.605 68.233,73.605 68.249,73.621 78.205,73.621 78.214,73.613 v1(79.644,73.613)
pads on no net: P1.6 P4.7 P4.8 P4.9 P4.10 U1.3 U1.5 U5.12 U5.30 U5.31 U5.34 U5.35 U6.2 U6.6 U6.7 U8.1 U9.1 U10.1 U11.1 U12.1 U13.1 U14.1 U15.1

## Polygon pours and split planes (outlines as drawn)
GND on Bottom Layer "GND" (solid, remove dead copper, pour order 8): 0.5,109.5 44.591,109.5 44.591,91.201 68.5,91.201 68.5,109.5 170.5,109.5 170.5,0.5 158.515,0.5 158.512,0.497 158.512,3.885 123.515,3.885 123.508,3.892 123.5,3.885 123.5,0.485 0.5,0.485
USB-shield on Bottom Layer "USB-shield" (solid, remove dead copper, pour order 3): 45.986,109.5 67.61,109.5 67.61,93.051 45.986,93.051
GND on Top Layer "GND" (solid, remove dead copper, pour order 7): 0.5,109.5 45.15,109.5 44.591,108.941 44.591,91.201 68.182,91.201 68.5,91.52 68.5,109.5 170.5,109.5 170.5,0.5 158.515,0.5 158.512,0.497 158.512,3.885 123.515,3.885 123.5,3.9 123.5,0.485 0.5,0.485
USB-shield on Top Layer "USB-shield" (solid, remove dead copper, pour order 2): 67.61,109.5 67.61,93.051 45.857,93.051 45.857,109.5

## Silkscreen, mask and mechanical layers (free items; w line width, h text height)
Top Overlay:
  lines w0.254: 99.3,80.001 100.3,80.001 ; 100.794,81.507 100.3,82.001 101.294,82.001 100.794,81.501 100.794,82.501 101.461,82.501 ; 104.3,82.501 108.414,82.501 108.414,80.001 ; 107.3,80.001 108.967,80.001 ; 112,88.475 113,88.475 ; 113.494,89.981 113,90.475 113.994,90.475 113.494,89.975 113.494,90.975 114.161,90.975 ; 117,90.975 121.114,90.975 121.114,88.475 ; 120,88.475 121.667,88.475 ; 123.994,71 127.994,71 ; 124.015,62.5 125.015,62.5 ; 125.509,64.006 125.015,64.5 126.009,64.5 125.509,64 125.509,65 126.176,65 ; 127.994,70 127.994,72 ; 128.494,70 128.494,72 ; 128.494,71 133.661,71 ; 129.015,65 133.129,65 133.129,62.5 ; 131.5,80 132.5,80 ; 132.015,62.5 133.682,62.5 ; 132.994,81.506 132.5,82 133.494,82 132.994,81.5 132.994,82.5 133.661,82.5 ; 136.5,82.5 140.614,82.5 140.614,80 ; 136.5,90.5 140.5,90.5 ; 139.5,80 141.167,80 ; 140.5,47.536 141.5,47.536 ; 140.5,89.5 140.5,91.5 ; 141,89.5 141,91.5 ; 141,90.5 146.167,90.5 ; 141.994,49.042 141.5,49.536 142.494,49.536 141.994,49.036 141.994,50.036 142.661,50.036 ; 145.5,50.04 147.5,50.04 ; 148.5,47.536 150.167,47.536 ; 148.598,50.036 149.614,50.036 149.614,47.536 ; 153,80 154,80 ; 154.494,81.506 154,82 154.994,82 154.494,81.5 154.494,82.5 155.5,82.5 ; 158.2,82.5 162.114,82.5 162.114,80 ; 161,80 162.667,80 ; 77.776,61.061 93.5,61.061 93.5,79.001 77.776,79.001 77.776,61.061 ; 94.8,77 126.3,77 126.3,93.857 94.8,93.857 94.8,77 ; 100.3,79.001 100.3,81.001 107.3,81.001 107.3,79.001 100.3,79.001 ; 113,87.475 113,89.475 120,89.475 120,87.475 113,87.475 ; 117,56 142.865,56 142.865,76 117,76 117,56 ; 124.515,36 155.835,36 155.835,55.23 124.515,55.23 124.515,36 ; 125.015,61.5 125.015,63.5 132.015,63.5 132.015,61.5 125.015,61.5 ; 126.586,77 168.5,77 168.5,96 126.586,96 126.586,77 ; 132.5,79 139.5,79 139.5,81 132.5,81 132.5,79 ; 141.5,46.536 141.5,48.536 148.5,48.536 148.5,46.536 141.5,46.536 ; 154,79 154,81 161,81 161,79 154,79
  lines w0.5: 10,3.5 90.955,3.5 90.955,54.5 10,54.5 10,3.5
  text "2226_Regulation_Thermique" at 114.92,107.937 h1
  text "GND" at 5.486,107.754 h1
  text "Version C" at 142.254,107.754 h1
  text "GND" at 162.368,107.754 h1
  text "RESET" at 101.715,99.579 h1
  text "Derivateur" at 127.419,94.254 h1
  text "Proportionnel" at 95.754,90.45 h1
  text "Reg_D" at 153.589,90.428 h1
  text "GND" at 26.754,87.056 h1
  text "-12V" at 37.565,87.024 h1
  text "+12V" at 13.308,86.842 h1
  text "V_Alim" at 1.419,84.523 h1
  text "Reg_P" at 119.554,81.087 h1
  text "1" at 69.887,80.105 h1
  text "Soustracteur / & inverseur" at 79.644,75.2 h1
  text "Integrateur" at 117.845,74.087 h1
  text "Err_Ampli" at 156.576,66.266 h1
  text "6" at 69.59,61.579 h1
  text "+3V3" at 0.754,60.844 h1
  text "Erreur" at 159.254,59.754 h1
  text "Reg_I" at 124.254,57.484 h1
  text "Sommateur" at 125.269,53.754 h1
  text "PID_out" at 140.754,40.692 h1
  text "Temp_Boit_User" at 156.847,39.042 h1
  text "Sensor_Temp_RP" at 156.369,31.087 h1
  text "Pwm_Fan" at 163.254,23.575 h1
  text "Pwm_Rp" at 164.754,16.587 h1
  text "Sensor_Temp_RP" at 39.254,6.587 h1
  text "Temp_Boitier" at 55.254,6.587 h1
  text "GND" at 161.254,6.254 h1
  text "Vref_3V" at 10.854,4.421 h1
  text "Mesu_erreur" at 20.254,4.421 h1
  text "Temp_RP" at 33.096,4.367 h1
  text "Temp_RP_User" at 47.663,4.367 h1
  text "Pec12_A" at 62.654,4.201 h1
  text "Pec12_B" at 70.879,4.201 h1
  text "Pec12_PB" at 78.867,4.201 h1
  text "GND" at 5.107,0.754 h1
Board Outline (ES):
  lines w0.254: 0,0 124,0 124,3.5 158,3.5 158,0 171,0 171,10 171,100 171,110 0,110 0,0

## Dimensions
0,110 to 171,110 on Top Courtyard
165.7,10 to 5,10 on Top Dims
5,10 to 5,100 on Top Dims
0,110 to 0,0 on Top Dims